# Altium PCB snapshots.PcbDoc (continued)
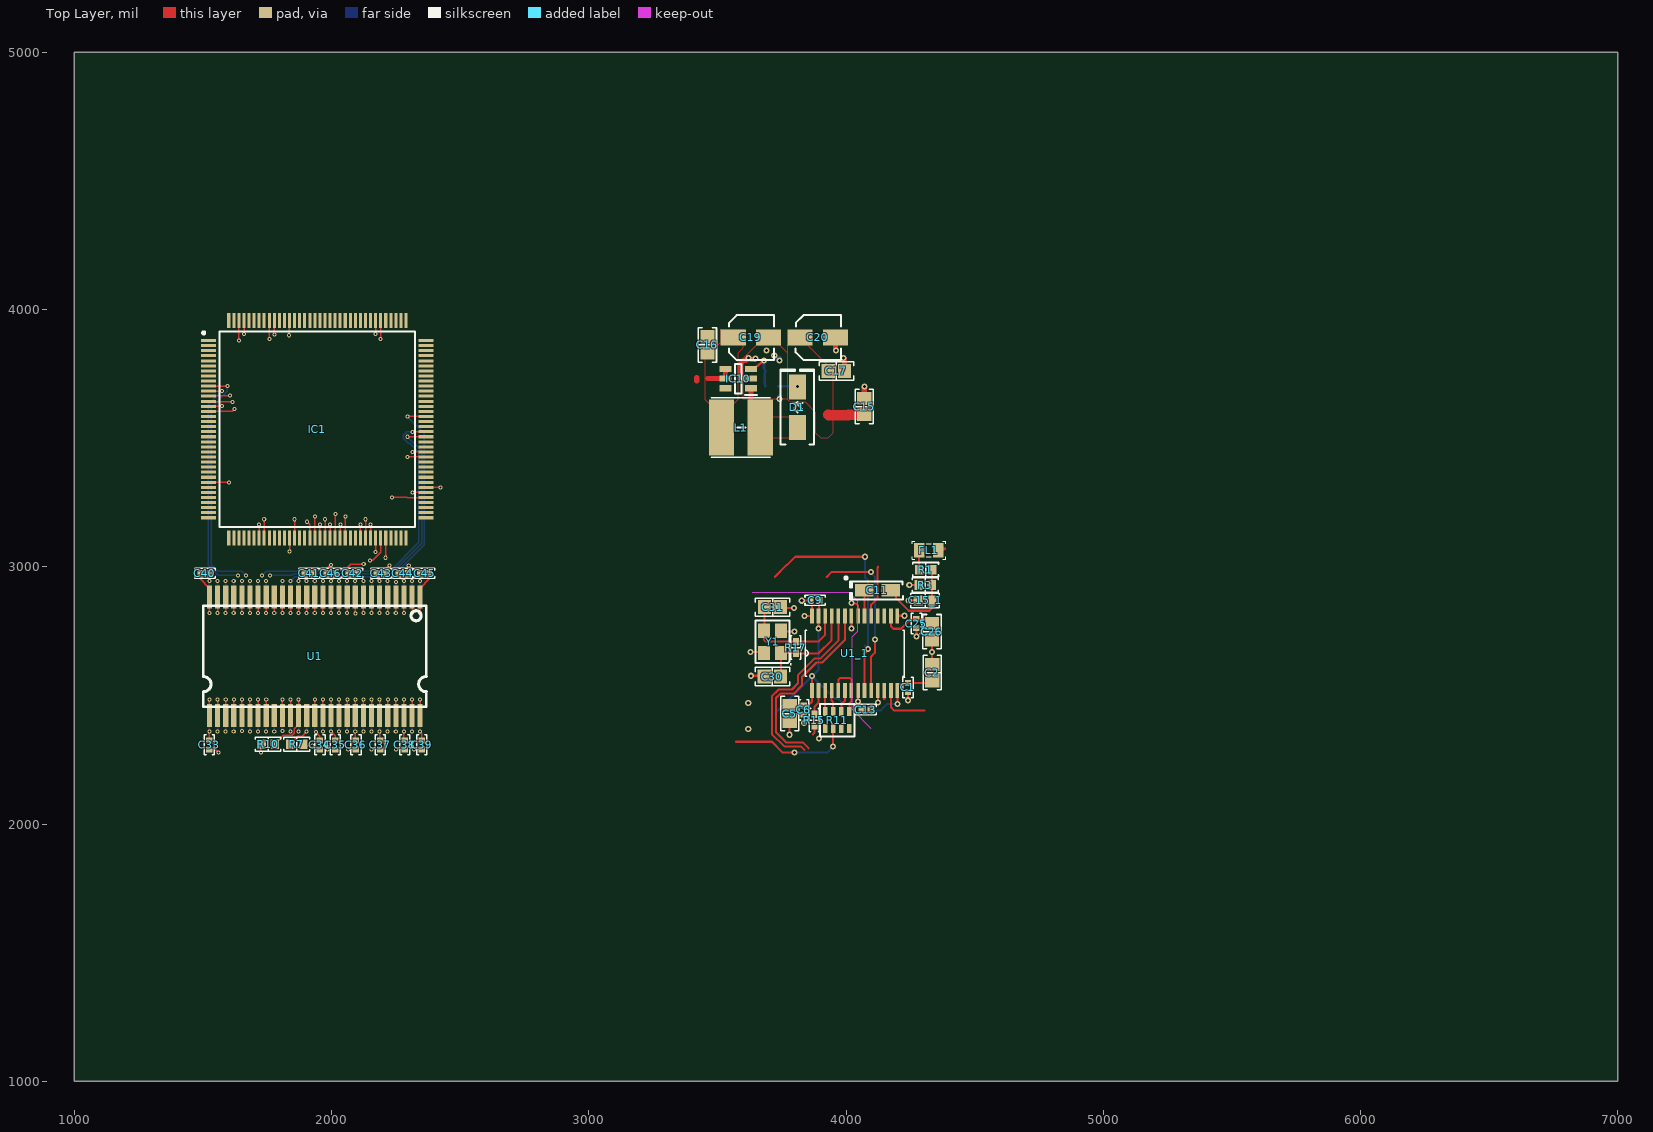
[diagram p0: Top Layer view]
## Part data (continued)
R36: library part RT0603FRE0710KL, "RES SMD 10K OHM 1% 1/10W 0603", Device Package="0603 (1608 Metric)", Manufacturer=Yageo, Operating Temperature="-55°C ~ 155°C", Part Number=RT0603FRE071KL, Power (Watts)="0.1W, 1/10W", Supplier Device Package=0603, Supplier Part Number 1=YAG2323CT-ND, Temperature Coefficient=±50ppm/°C, Tolerance=±1%, ComponentLink1Description=Datasheet, ComponentLink1URL=https://www.yageo.com/upload/media/product/productsearch/datasheet/rchip/PYu-RT_1-to-0.01_RoHS_L_11.pdf, ComponentLink2Description="DigiKey Link", ComponentLink2URL=https://www.digikey.com/en/products/detail/yageo/RT0603FRE071KL/1075188, Composition="Thin Film", Height - Seated (Max)="0.022\" (0.55mm)", LastUpdated="9/19/2022 1:22:31 PM", Lifecycle Status=Active, Minimum Order=1, Number of Terminations=2, Package / Case="0603 (1608 Metric)", Packaging=TapeAndReel, Part Status=Active, PartId=5672, Price=0.01, Resistance="1 kOhms", Series=RT, Size / Dimension="0.063\" L x 0.031\" W (1.60mm x 0.80mm)", Supplier 1=DigiKey
U1_1: "Stero in/ot audio codec"
Y1: library part ABM8G-24.576MHZ-B4Y-T, "CRYSTAL 24.5760MHZ 10PF SMD", Device Package="4-SMD, No Lead", ESR (Equivalent Series Resistance)="60 Ohms", Frequency Stability=±30ppm, Load Capacitance=10pF, Manufacturer="Abracon LLC", Operating Mode=Fundamental, Operating Temperature="-20°C ~ 70°C", Supplier Part Number 1=535-10296-1-ND, ComponentLink1Description=Datasheet, ComponentLink1URL=https://abracon.com/Resonators/ABM8G.pdf, ComponentLink2Description="DigiKey Link", ComponentLink2URL=http://digikey.com/product-detail/en/abracon-llc/ABM8G-24.576MHZ-B4Y-T/535-10296-1-ND/2218109, Frequency=24.576MHz, Frequency Tolerance=±30ppm, Height - Seated (Max)="0.039\" (1.00mm)", LastUpdated="3/19/2020 10:36:25 PM", Lifecycle Status=Active, Minimum Order=1, Mounting Type="Surface Mount", Package / Case="4-SMD, No Lead", Packaging=TapeAndReel, Part Number=ABM8G-24.576MHZ-B4Y-T, Part Status=Active, PartId=297, Price=0.50, Series=ABM8G, Size / Dimension="0.126\" L x 0.098\" W (3.20mm x 2.50mm)", Supplier 1=DigiKey, Type="MHz Crystal"

## Via types
v1: diameter 15.75, hole 7.87, Top Layer to Bottom Layer, tented both sides, 105 vias
v2: diameter 15.75, hole 7.87, Top Layer to Bottom Layer, 56 vias
v3: diameter 23.62, hole 11.81, Top Layer to Bottom Layer, tented both sides, 42 vias

## Nets (pads, with @x,y where several pads share a name; then routed paths per layer and width w, separated by ;. In a path a pad name is that pad's centre, name@x,y a point inside that pad or via, vN(x,y) a via of type N, cw(c..) or ccw(c..) an arc to the next point about the centre after c; other vN are vias at no path point)
pads on no net: C1.1 C1.2 C2.1 C2.2 C5.1 C5.2 C6.1 C6.2 C9.1 C9.2 C11.1 C11.2 C13.1 C13.2 C15.1 C15.2 C15_1.1 C15_1.2 C16.1 C16.2 C17.1 C17.2 C19.1 C19.2 C20.1 C20.2 C25.1 C25.2 C26.1 C26.2 C30.1 C30.2 C31.1 C31.2 C33.1 C33.2 C34.1 C34.2 C35.1 C35.2 C36.1 C36.2 C37.1 C37.2 C38.1 C38.2 C39.1 C39.2 C40.1 C40.2 C41.1 C41.2 C42.1 C42.2 C43.1 C43.2 C44.1 C44.2 C45.1 C45.2 C46.1 C46.2 D1.1 D1.2 Designator1.1 Designator1.2 FL1.1 FL1.2 FL6.1 FL6.2 IC1.1 IC1.2 IC1.3 IC1.4 IC1.5 IC1.6 IC1.7 IC1.8 IC1.9 IC1.10 IC1.11 IC1.12 IC1.13 IC1.14 IC1.15 IC1.16 IC1.17 IC1.18 IC1.19 IC1.20 IC1.21 IC1.22 IC1.23 IC1.24 IC1.25 IC1.26 IC1.27 IC1.28 IC1.29 IC1.30 IC1.31 IC1.32 IC1.33 IC1.34 IC1.35 IC1.36 IC1.37 IC1.38 IC1.39 IC1.40 IC1.41 IC1.42 IC1.43 IC1.44 IC1.45 IC1.46 IC1.47 IC1.48 IC1.49 IC1.50 IC1.51 IC1.52 IC1.53 IC1.54 IC1.55 IC1.56 IC1.57 IC1.58 IC1.59 IC1.60 IC1.61 IC1.62 IC1.63 IC1.64 IC1.65 IC1.66 IC1.67 IC1.68 IC1.69 IC1.70 IC1.71 IC1.72 IC1.73 IC1.74 IC1.75 IC1.76 IC1.77 IC1.78 IC1.79 IC1.80 IC1.81 IC1.82 IC1.83 IC1.84 IC1.85 IC1.86 IC1.87 IC1.88 IC1.89 IC1.90 IC1.91 IC1.92 IC1.93 IC1.94 IC1.95 IC1.96 IC1.97 IC1.98 IC1.99 IC1.100 IC1.101 IC1.102 IC1.103 IC1.104 IC1.105 IC1.106 IC1.107 IC1.108 IC1.109 IC1.110 IC1.111 IC1.112 IC1.113 IC1.114 IC1.115 IC1.116 IC1.117 IC1.118 IC1.119 IC1.120 IC1.121 IC1.122 IC1.123 IC1.124 IC1.125 IC1.126 IC1.127 IC1.128 IC1.129 IC1.130 IC1.131 IC1.132 IC1.133 IC1.134 IC1.135 IC1.136 IC1.137 IC1.138 IC1.139 IC1.140 IC1.141 IC1.142 IC1.143 IC1.144 IC10.1 IC10.2 IC10.3 IC10.4 IC10.5 IC10.6 L1.1 L1.2 R1.1 R1.2 R3.1 R3.2 R7.1 R7.2 R10.1 R10.2 R11.1 R11.2 R11.3 R11.4 R11.5 R11.6 R11.7 R11.8 R15.1 R15.2 R17.1 R17.2 R35.1 R35.2 R36.1 R36.2 U1.1 U1.2 U1.3 U1.4 U1.5 U1.6 U1.7 U1.8 U1.9 U1.10 U1.11 U1.12 U1.13 U1.14 U1.15 U1.16 U1.17 U1.18 U1.19 U1.20 U1.21 U1.22 U1.23 U1.24 U1.25 U1.26 U1.27 U1.28 U1.29 U1.30 U1.31 U1.32 U1.33 U1.34 U1.35 U1.36 U1.37 U1.38 U1.39 U1.40 U1.41 U1.42 U1.43 U1.44 U1.45 U1.46 U1.47 U1.48 U1.49 U1.50 U1.51 U1.52 U1.53 U1.54 U1_1.1 U1_1.2 U1_1.3 U1_1.4 U1_1.5 U1_1.6 U1_1.7 U1_1.8 U1_1.9 U1_1.10 U1_1.11 U1_1.12 U1_1.13 U1_1.14 U1_1.15 U1_1.16 U1_1.17 U1_1.18 U1_1.19 U1_1.20 U1_1.21 U1_1.22 U1_1.23 U1_1.24 U1_1.25 U1_1.26 U1_1.27 U1_1.28 U2.1 U2.2 U2.3 U2.4 U2.5 U2.6 U2.7 U2.8 U2.9 U2.10 U2.11 U2.12 U2.13 U2.14 U2.15 U2.16 U2.17 U2.18 U2.19 U2.20 U2.21 U2.22 U2.23 U2.24 U2.25 U2.26 U2.27 U2.28 U2.29 U2.30 U2.31 U2.32 U2.33 U2.34 U2.35 U2.36 U2.37 U2.38 U2.39 U2.40 U2.41 U2.42 U2.43 U2.44 U2.45 U2.46 U2.47 U2.48 U2.49 U2.50 U2.51 U2.52 U2.53 U2.54 Y1.1 Y1.2 Y1.3 Y1.4
copper on no net: | length 71663.6
  Top Layer w5: 1490.35,2975 1490.35,2952.6 1525.55,2917.4 1525.55,2882.4 v1@1525.55,2820.56 ; 1518.05,2439.65 1525.55,2432.15 ; 1522.26,3328.29 v2(1601.01,3328.27) ; 1522.24,3623.58 1522.95,3624.29 1574.29,3624.29 v2(1575,3625) ; 1522.24,3662.95 1523.27,3663.98 1603.98,3663.98 v2(1605,3665) ; 1522.24,3702.32 v2@1594.84,3702.32 ; 1522.4,3604.06 1522.8,3604.45 1614.45,3604.45 v2(1622.94,3612.94) ; 1522.4,3643.43 1524.19,3641.63 1613.37,3641.63 v2(1615,3640) ; 1522.4,3682.8 1522.44,3682.83 1573.59,3682.83 v2(1573.79,3683.03) ; 1524.21,2325 1525,2325 1525.42,2325.42 v1(1525.42,2359.8) ; 1525,2290.35 1525.35,2290 1548.61,2290 v2(1559.87,2278.74) ; 1525,2975 1525.31,2974.69 v1(1525.31,2944.49) ; v1@1525.55,2483.61 1525.55,2432.15 ; 1557.05,2421.77 1557.05,2483.61 v1(1557.29,2483.86) ; v1@1557.05,2820.56 1557.05,2882.4 ; 1588.54,2421.77 v1@1588.54,2483.61 ; v1@1588.54,2820.56 1588.54,2882.4 ; 1620.04,2421.77 v1@1620.04,2483.61 ; v1@1620.04,2820.56 1620.04,2882.4 ; 1639.94,3957.7 1639.94,3880.06 v2(1640,3880) ; 1651.54,2421.77 v1@1651.54,2483.61 ; v1@1651.54,2820.56 1651.54,2882.4 ; 1659.57,3957.76 1659.78,3957.54 1659.78,3905.22 v2(1660,3905) ; 1683.03,2421.77 v1@1683.03,2483.61 ; v1@1683.03,2820.56 1683.03,2882.4 ; 1714.53,2421.77 v1@1714.53,2483.61 ; v1@1714.53,2820.56 1714.53,2882.4 ; 1718.62,3112.24 v2@1718.62,3164.53 ; v2@1725,2275 v2(1725,2278.74) 1725,2307.36 1727.64,2310 ; 1738.46,3112.09 v2@1738.46,3184.68 ; 1746.02,2421.77 v1@1746.02,2483.61 ; v1@1746.02,2820.56 1746.02,2882.4 ; 1757.99,3957.76 1758.82,3956.93 1758.82,3885.5 v2(1759.65,3884.67) ; v1@1777.52,2820.56 1777.52,2882.4 ; 1777.68,3957.76 1777.98,3957.45 1777.98,3902.74 v2(1778.29,3902.43) ; 1778.82,2310 1778.82,2311.97 1793.05,2326.2 1795.02,2326.2 1813.13,2344.31 1846.74,2344.31 1855.75,2353.32 1855.75,2370.51 1872.01,2386.77 1872.01,2421.77 v1@1872.01,2483.61 ; 1809.02,2421.77 v1@1809.02,2483.61 ; v1@1809.02,2820.56 1809.02,2882.4 ; v2(1835,3900) 1835.87,3900.87 1835.87,3956.89 1836.73,3957.76 ; v2(1836.79,3059.78) 1836.76,3112.22 ; 1838.82,2310 1838.82,2311.97 1868.76,2341.91 1885.49,2341.91 v1(1903.26,2359.68) ; 1840.51,2421.77 v1@1840.51,2483.61 ; v1@1840.51,2820.56 1840.51,2882.4 ; 1856.57,3112.09 v2@1856.57,3184.68 ; v1@1872.01,2820.56 1872.01,2882.4 ; 1890,2310 1895,2305 v2(1925,2305) 1939.65,2290.35 1955,2290.35 ; 1895.35,2975 1895.35,2952.39 v1(1903.26,2944.49) ; v1@1903.5,2820.56 1903.5,2882.4 ; v2(1905,3175) 1915.24,3164.76 1915.24,3112.48 1915.47,3112.24 ; 1927.75,2925.47 1927.75,2889.9 1935.25,2882.4 ; 1930,2975 1934.75,2970.25 v1(1934.75,2944.49) ; 1935,2421.77 v1@1935,2483.61 ; v1@1935,2820.56 1935,2882.4 ; v2(1935,3195) 1935.08,3194.92 1935.08,3112.32 1935.16,3112.24 ; v1(1939.75,2357.01) 1955,2341.76 1955,2325 ; 1954.84,3112.24 v2@1954.84,3164.53 ; 1966.5,2421.77 v1@1966.5,2483.61 ; v1@1966.5,2820.56 1966.5,2882.4 ; 1974.69,3112.09 v2@1974.69,3184.68 ; 1980.35,2975 1980.35,2990.1 1997.64,3007.38 v2(1998.73,3007.38) ; v2(1985,2290) 1985.35,2290.35 2015,2290.35 ; 1990.86,2414.64 1997.99,2421.77 v1@1997.99,2483.61 ; 1994.21,3112.24 v2@1994.21,3164.53 ; v1(1997.75,2944.49) 2015,2961.74 2015,2975 ; v1@1997.99,2820.56 1997.99,2882.4 ; v1(1998.39,2359.04) 2015,2342.43 2015,2325 ; 2014.06,3112.09 2014.45,3112.48 2014.45,3204.45 v2(2015.87,3205.87) ; 2029.49,2421.77 v1@2029.49,2483.61 ; v1@2029.49,2820.56 2029.49,2882.4 ; 2033.58,3112.24 2034.15,3112.82 2034.15,3164.19 v2(2034.72,3164.76) ; 2053.43,3112.09 2054.13,3112.8 2054.13,3194.13 v2(2055,3195) ; 2060.98,2421.77 v1@2060.98,2483.61 ; v1@2060.98,2820.56 2060.98,2882.4 ; v2(2065,2290) 2094.65,2290 2095,2290.35 ; 2065.35,2975 2065.35,3000.35 2074.89,3009.89 2124.36,3009.89 v2(2125.15,3010.69) ; v1(2091.82,2945) 2100,2953.18 2100,2975 ; v1(2092.23,2359.68) 2092.23,2327.77 2095,2325 ; 2092.48,2421.77 v1@2092.48,2483.61 ; v1(2092.5,2818.33) 2092.5,2917.38 ; 2112.32,3112.24 v2@2112.32,3164.53 ; 2123.98,2421.77 v1@2123.98,2483.61 ; v1@2123.98,2820.56 2123.98,2882.4 ; 2132.17,3112.09 v2@2132.17,3184.68 ; v2(2150,3025) 2160.4,3025 2191.06,3055.66 2191.06,3112.24 ; 2151.69,3112.24 v2@2151.69,3164.53 ; v2(2155,2290) 2189.65,2290 2190,2290.35 ; 2155.47,2421.77 v1@2155.47,2483.61 ; v1@2155.47,2820.56 2155.47,2882.4 ; v2(2170.36,3056.7) 2171.27,3057.62 2171.27,3112.33 ; v2@2171.54,3905.31 2171.54,3957.6 ; 2175,2975 2175,2956.21 v1(2186.72,2944.49) ; v1(2186.72,2359.68) 2186.72,2328.28 2190,2325 ; 2186.97,2386.77 v1@2186.97,2483.61 ; v1@2186.97,2820.56 2186.97,2882.4 ; v2@2191.06,3885.16 2191.06,3957.76 ; 2209.65,2975 2209.65,2989.65 v2(2225,3005) ; v2(2210,3035) 2210.37,3035.37 2210.37,3111.55 2210.63,3111.81 ; 2218.46,2421.77 v1@2218.46,2483.61 ; v1@2218.46,2820.56 2218.46,2882.4 ; v2(2235,3270) 2235.41,3269.59 2294.67,3269.59 2295.08,3269.17 ; 2249.96,2421.77 v1@2249.96,2483.61 ; v1@2249.96,2820.56 2249.96,2882.4 ; v2(2250,2290) 2284.65,2290 2285,2290.35 ; 2260,2975 2267.86,2967.14 2267.86,2957.84 v1(2281.21,2944.49) ; v1(2281.21,2359.68) 2281.21,2328.79 2285,2325 ; 2281.46,2421.77 v1@2281.46,2483.61 ; v1@2281.46,2820.56 2281.46,2917.4 ; 2294.65,2975 2294.65,2996.43 2300.16,3001.94 v2(2300.16,3004.84) ; 2295.16,3269.25 2367.76,3269.25 ; v2@2295.16,3426.73 2367.76,3426.73 ; v2@2295.16,3505.47 2367.76,3505.47 ; v2@2295.16,3584.21 2367.76,3584.21 ; 2312.95,2421.77 v1@2312.95,2483.61 ; v1@2312.95,2820.56 2312.95,2882.4 ; v2@2315.31,3288.78 2367.6,3288.78 ; v2@2315.31,3446.26 2367.6,3446.26 ; v2@2315.31,3525 2367.6,3525 ; v2(2320,2290) 2350.04,2290 2350.39,2290.35 ; v1(2344.2,2359.68) 2344.2,2357.39 2350.39,2351.2 2350.39,2325 ; v1(2344.2,2944.49) 2344.2,2974.2 2345,2975 ; 2344.45,2421.77 v1@2344.45,2483.61 ; v1@2344.45,2820.56 2344.45,2882.4 2344.45,2917.4 2379.65,2952.6 2379.65,2975 ; 2367.76,3308.62 2367.95,3308.43 2423.05,3308.43 v2(2423.24,3308.24) ; 1525.55,2432.15 1525.55,2421.77 1525.55,2432.15
  Top Layer w8: 3572.14,2319.73 3712.27,2319.73 3754.25,2277.75 v3(3799.75,2277.75) ; v3(3628.93,2667.93) 3677.64,2667.93 ; v3(3630.06,2576.24) 3678.77,2576.24 ; 3683,2843 3683,2753.43 3680.88,2751.31 3680.88,2716.12 3688,2709 3806,2709 ; 3724,2959.91 3724,2961.87 3768.23,3006.1 3770.2,3006.1 3803.09,3039 v3(4074,3039) ; 3745,2573 3747.81,2575.81 3747.81,2664.7 3806,2664.7 ; 3749.23,2839.76 v3(3797.94,2839.76) ; 3751.04,2748.07 v3(3799.75,2748.07) ; v3(3780,2347) 3780,2397.01 3781,2398.01 ; 3781,2461 3836,2461 3854,2461 3868,2475 3868,2519 v3(3868,2575) ; 3807.33,2663 3892,2663 3944,2715 3944,2809 ; 3808.17,2710 3894,2710 3919,2735 3919,2809 ; v3(3828,2868) 3860.68,2868 3862.68,2870 ; v3(3836,2392) 3836,2426.35 ; 3839,2287 3824.44,2301.56 3760.11,2301.56 3712,2349.68 3712,2496.63 3738.37,2523 3790,2523 3813,2546 3813,2578 3878.81,2643.81 3901.19,2643.81 3970,2712.63 3970,2809 ; v3(3839,2809) 3868,2809 3868,2860.35 3861.35,2867 ; 3855,2294 3831.44,2317.56 3766.74,2317.56 3728,2356.3 3728,2490 3745,2507 3796.63,2507 3829,2539.37 3829,2571.37 3885.44,2627.81 3907.81,2627.81 3996,2716 3996,2809 ; 3871,2348.3 3877,2354.3 3877,2381.36 ; 3877,2426.64 3877,2455 3893,2471 3893,2519 ; v3(3893,2760) 3893,2809 3894.5,2810.5 3894.5,2865.5 3896,2867 ; 3918.76,2437.46 3918.88,2437.59 3918.88,2518.88 3919,2519 ; 3924,2959.91 3943.09,2979 v3(4097.81,2979) ; 3944,2519 3944,2480 3950.25,2473.75 3950.25,2437.46 ; v3(3950,2301) 3950.13,2301.13 3950.13,2370.41 3950.25,2370.54 ; 3970,2519 3970,2560 3978,2568 4015,2568 4021,2562 4021,2477.82 4013.24,2470.06 4013.24,2437.46 ; 3981.75,2437.46 3981.75,2464.75 3996,2479 3996,2519 ; 4013.12,2370.41 4013.24,2370.54 ; v3(4021,2760) 4021,2809 ; v3(4021,2859) 4022.34,2857.66 4037.34,2857.66 4047,2848 4047,2809 ; 4046.5,2519.5 4047,2519 v3(4047,2477) 4059.09,2464.91 4059.09,2445.91 4060,2445 ; 4070.85,2909 4072,2907.85 4072,2809 ; 4072,2519 4072,2662.77 4086,2676.77 v3(4086,2681) ; 4094.65,2445 4094.65,2445.79 4120.86,2472 v3(4124,2472) 4124,2519 ; 4098,2519 4098,2651 4112,2665 v3(4112,2718) ; 4098,2809 4098,2853 4122.84,2877.84 4122.84,2994.56 cw(c4130.84,2994.52) 4125.15,3000.15 ; 4174,2909 4194,2889 4194,2879 4244,2829 4324,2829 4334,2839 4334,2869 4335.18,2870.18 4335.18,2989 ; 4175,2519 4175,2454 4188,2441 4306,2441 ; 4175,2809 4175,2768 4184,2759 4214,2759 4251.32,2796.32 4274,2796.32 4316.68,2796.32 4334,2779 ; v3(4200,2466) 4200,2497 ; 4200,2519 4200,2541 4203,2544 4237,2544 4241,2548 4325.99,2548 4335,2557.01 ; 4200,2809 4203,2809.53 v3(4227.55,2809.53) ; v3(4241,2481) 4241,2513.35 ; v3(4244,2869) 4280.85,2869 ; v3(4245.97,2929) 4282.82,2929 ; v3(4274,2729) 4274,2761.68 ; 4284,2989 4284,3063 4285,3064 ; 4334,2716.01 v3(4334,2669) 4334,2618 4335,2617
  Top Layer w10: 3630.32,3768.78 3648.94,3775.59 v3(3681.1,3801.38)
  Top Layer w20: 3419.63,3721.62 3419.63,3734.56 ; 3461.1,3731.38 3531.89,3731.38 3531.89,3768.78 ; 3516.1,3541.38 3531.89,3525.59 ; v3(3603.31,3731.27) 3603.31,3732.25 3588.69,3746.87 3588.69,3788.05 3602.02,3801.38 3611.1,3801.38 v3(3621.1,3811.38) 3622.08,3811.38 3622.15,3811.31 ccw(c3636.3,3825.45) v3(3648.5,3809.61) ; 3630.32,3693.98 3630.32,3577.17 3666.1,3541.38 ; 3691.1,3883.58 3698.9,3891.38 ; 3958.9,3891.38 3958.9,3844.56 3961.1,3842.36 v3(3961.1,3841.38) ; v3(3991.1,3811.38) 3991.1,3810.4 3994.09,3807.41 3994.09,3761.38 ; 4071.1,3654.37 v3(4071.1,3701.38)
  Top Layer w40: 3931.1,3591.38 3932.91,3589.57 4008.42,3589.57 4010.23,3591.38 4071.1,3591.38
  Mid-Layer 3 w5: v1(1556.8,2359.68) 1556.8,2453.37 1572.92,2469.49 1572.92,2798.23 1556.8,2814.35 v1(1556.8,2820.31) ; v1@1556.8,2826.01 1572.92,2842.14 1572.92,3134.7 1646.39,3208.16 1646.39,3567.76 1607.57,3606.57 1607.57,3619.31 1615,3626.74 v2(1615,3640) ; v1(1557.29,2483.86) 1557.29,2798.08 1541.43,2813.95 1541.43,2827.99 1557.29,2843.86 1557.29,2944 v1(1556.8,2944.49) 1556.8,3132.72 1636.39,3212.3 1636.39,3563.61 v2(1575,3625) ; v1(1588.3,2359.68) 1588.3,2453.37 1604.42,2469.49 1604.42,2798.23 1588.3,2814.35 v1(1588.3,2820.31) ; v1@1588.3,2826.01 1604.42,2842.14 1604.42,3137.91 1666.39,3199.87 1666.39,3613.61 1622.64,3657.36 1612.64,3657.36 v2(1605,3665) ; v1(1588.79,2483.86) 1588.79,2798.08 1572.92,2813.95 1572.92,2827.99 1588.79,2843.86 1588.79,2944 v1(1588.3,2944.49) 1588.3,3135.93 1656.39,3204.02 1656.39,3579.5 v2(1622.94,3612.94) ; v2(1601.01,3328.27) 1601.01,3219.89 1488.55,3107.42 1488.55,2344.85 1509.28,2324.11 1793.57,2324.11 1825,2355.54 1825,2468.12 v1(1809.26,2483.86) ; v1@1618.28,2358.17 v1(1619.79,2359.68) 1619.79,2453.37 1635.92,2469.49 1635.92,2798.23 1619.79,2814.35 v1(1619.79,2820.31) ; v1@1619.79,2826.01 1635.92,2842.14 1635.92,2966.01 v2(1635.63,2966.3) ; v1(1620.28,2483.86) 1620.28,2798.08 1604.42,2813.95 1604.42,2827.99 1620.28,2843.86 1620.28,2944 v1(1619.79,2944.49) 1619.79,2975.82 1785.02,3141.05 1834.52,3141.05 1856.5,3163.02 v2(1856.5,3184.76) ; v2(1640,3880) 1525,3765 1525,3175 1468.55,3118.55 1468.55,2336.57 1501,2304.11 1819.11,2304.11 1855.75,2340.75 1855.75,2451.49 1872.25,2468 v1(1872.25,2483.86) 1872.25,2798.08 1856.39,2813.95 1856.39,2827.99 1872.25,2843.86 1872.25,2944 v1(1871.76,2944.49) ; v1@1651.17,2359.68 v1(1651.17,2362.19) 1651.17,2453.24 1667.41,2469.49 1667.41,2798.23 1651.29,2814.35 v1(1651.29,2820.31) 1651.29,2826.01 1667.41,2842.14 1667.41,2966.01 v2(1667.12,2966.3) ; v1(1651.78,2483.86) 1651.78,2798.08 1635.92,2813.95 1635.92,2827.99 1651.78,2843.86 1651.78,2944 v1(1651.29,2944.49) 1651.29,2993.18 1789.16,3131.05 1881.05,3131.05 1905,3155 v2(1905,3175) ; v2(1660,3905) 1640,3905 1515,3780 1515,3181.45 1458.55,3125 1458.55,2332.43 1496.86,2294.11 1837.69,2294.11 v1(1903.26,2359.68) v1(1903.26,2820.31) ; v1(1682.79,2359.68) 1682.79,2453.37 1698.91,2469.49 1698.91,2798.23 1682.79,2814.35 v1(1682.79,2820.31) ; v1@1682.79,2826.01 1698.91,2842.14 1698.91,3012.51 1797.45,3111.05 1898.35,3111.05 1938.54,3151.24 1938.54,3176.79 1946.51,3184.76 v2(1974.61,3184.76) ; v1(1683.28,2483.86) 1683.28,2798.08 1667.41,2813.95 1667.41,2827.99 1683.28,2843.86 1683.28,2944 v1(1682.79,2944.49) 1682.79,3010.53 1793.3,3121.05 1893.5,3121.05 1924.5,3152.05 1924.5,3184.5 v2(1935,3195) ; v1(1714.28,2359.68) 1714.28,2453.37 1730.4,2469.49 1730.4,2798.23 1714.28,2814.35 v1(1714.28,2820.31) ; v1@1714.28,2826.01 1730.4,2842.14 v2@1730.4,2966.01 ; v1(1714.77,2483.86) 1714.77,2798.08 1698.91,2813.95 1698.91,2827.99 1714.77,2843.86 1714.77,2944 v1(1714.28,2944.49) 1714.28,3013.74 1801.59,3101.05 1911.05,3101.05 1954.61,3144.61 v2(1954.61,3164.76) ; v2(1718.39,3164.76) 1718.39,3188.39 1751.28,3221.28 1978.72,3221.28 2015,3185 2019.35,3180.65 2019.35,3154.25 1887.45,3022.36 1887.45,2836 v1(1871.76,2820.31) 1871.76,2814.35 1887.88,2798.23 1887.88,2469.49 1871.76,2453.37 v1(1871.76,2359.68) ; v2(1738.39,3184.76) 1764,3210.37 1970.74,3210.37 1989.98,3191.13 2009.35,3171.76 2009.35,3158.4 1932,3081.05 1809.87,3081.05 1777.27,3048.45 v1(1777.27,2820.31) ; v1(1745.78,2359.68) 1745.78,2453.37 1761.9,2469.49 1761.9,2798.23 1745.78,2814.35 v1(1745.78,2820.31) ; v1@1745.78,2823.03 1761.9,2839.15 v2@1761.9,2963.02 ; v1(1746.27,2483.86) 1746.27,2798.08 1730.4,2813.95 1730.4,2827.99 1746.27,2843.86 1746.27,2944 v1(1745.78,2944.49) 1745.78,3031.1 1805.73,3091.05 1920.26,3091.05 v2(1993.98,3164.76) ; v2(1759.65,3884.67) 1696.47,3884.67 1555,3743.2 1555,3620 1626.39,3548.61 1626.39,3216.44 1508.55,3098.6 1508.55,2353.14 1517.37,2344.31 1761.9,2344.31 v1(1777.27,2359.68) ; v2(1778.29,3902.43) 1750.72,3930 1726.5,3930 1545,3748.5 1545,3615.86 1555,3605.86 1555,3605 1616.39,3543.61 1616.39,3221.12 1498.55,3103.28 1498.55,2348.99 1513.23,2334.31 1773.64,2334.31 1792.65,2353.32 1792.65,2452.35 1780,2465 1780,2500 1792.65,2512.65 1792.65,2832.65 1808.77,2848.77 v1(1808.77,2944.49) ; v1(1808.77,2361.06) 1808.77,2460.31 1792.91,2476.18 1792.91,2490.23 1808.77,2506.09 v1(1808.77,2820.31) 1809.01,2820.56 1809.01,2830.69 1824.14,2845.82 1824.14,2954.14 1836.79,2966.79 v2(1836.79,3059.78) ; v2(1835,3900) 1835,3910.61 1805.61,3940 1722.36,3940 1535,3752.64 1535,3168.7 1478.55,3112.24 1478.55,2340.71 1505.14,2314.11 1797.71,2314.11 1840.37,2356.78 v1(1840.37,2359.68) 1840.27,2359.79 1840.27,2453.37 1856.39,2469.49 1856.39,2798.23 1840.27,2814.35 v1(1840.27,2820.31) ; v1(1840.27,2944.49) 1840.76,2944 1840.76,2843.86 1824.89,2827.99 1824.89,2813.95 1840.76,2798.08 v1(1840.76,2483.86) ; v1(1966.25,2359.68) 1966.25,2453.37 1982.11,2469.23 1982.11,2798.48 1966.25,2814.35 v1(1966.25,2820.31) 1966.25,2829.23 1981.62,2844.6 1981.62,3031.62 2112.09,3162.09 v2(2112.09,3164.76) ; v1(1966.74,2483.86) 1966.74,2798.08 1950.88,2813.95 1950.88,2827.99 1966.74,2843.86 1966.74,2944 v1(1966.25,2944.49) 1966.25,3040.67 2110.34,3184.76 v2(2132.09,3184.76) ; 1979.07,2368.6 1982.3,2365.38 1982.3,2341.4 ; 2010,2380 2013.77,2376.23 2013.77,2353.42 2015,2352.18 2015,2340 ; v2(2015.87,3205.87) 2039.32,3229.32 2142.58,3229.32 2196.37,3175.54 2196.37,3046.01 2140.1,2989.75 2140.1,2846.46 2123.73,2830.09 v1(2123.73,2820.31) 2123.73,2814.35 2139.85,2798.23 2139.85,2469.49 2123.73,2453.37 v1(2123.73,2359.68) ; v1(2029.24,2359.68) 2029.24,2453.37 2045.36,2469.49 2045.36,2798.23 2029.24,2814.35 v1(2029.24,2820.31) 2029.24,2829.23 2044.62,2844.6 2044.62,3004.62 2115.94,3075.94 2156.84,3075.94 2176.37,3095.46 2176.37,3167.26 2134.3,3209.32 2069.32,3209.32 v2(2055,3195) ; v1(2029.73,2483.86) 2029.73,2798.08 2013.87,2813.95 2013.87,2827.99 2029.73,2843.86 2029.73,2944 v1(2029.24,2944.49) 2029.24,3056.74 2137.27,3164.76 v2(2151.46,3164.76) ; v2(2034.72,3164.76) 2033.35,3166.14 2033.35,3195.09 2057.58,3219.32 2138.44,3219.32 2186.37,3171.4 2186.37,3050.97 2175.91,3040.51 2123.99,3040.51 2076.45,2992.97 2076.45,2836.02 v1(2060.74,2820.31) 2060.74,2814.35 2076.86,2798.23 2076.86,2469.49 2060.74,2453.37 v1(2060.74,2359.68) ; v1(2061.23,2483.86) 2061.23,2798.08 2045.36,2813.95 2045.36,2827.99 2060,2842.63 v1(2060,2945) 2060,3000 2116.7,3056.7 v2(2170.36,3056.7) ; v1(2124.22,2483.86) 2124.22,2798.08 2108.36,2813.95 2108.36,2833.27 2124.22,2849.13 2124.22,2943.96 v1(2124.73,2944.47) 2124.73,2988.52 2140.53,3004.32 2140.53,3015.53 v2(2150,3025) ; v1(2155.23,2359.68) 2155.23,2453.37 2171.35,2469.49 2171.35,2798.23 2155.23,2814.35 v1(2155.23,2820.31) 2170.85,2835.94 2170.85,2972.93 2235,3037.08 2235,3245 2171.77,3308.23 v2(2171.77,3905.08) ; v1(2155.72,2483.86) 2155.72,2798.08 2139.85,2813.95 2139.85,2827.99 2155.72,2843.86 2155.72,2944 2155.23,2944.49 2155.23,2980.23 v2(2210,3035) ; 2170,2340 2171.21,2341.21 2171.21,2370.52 ; v2(2191.14,3885.08) 2191.14,3368.86 2255,3305 2255,2982.51 2234.83,2962.35 2234.83,2842.63 2218.22,2826.01 v1(2218.22,2820.31) 2218.22,2814.35 2234.34,2798.23 2234.34,2469.49 2218.22,2453.37 v1(2218.22,2359.68) ; 2202.93,2377.07 2202.93,2366.14 2202.85,2366.05 2202.85,2342.15 2205,2340 ; v1(2218.71,2483.86) 2218.71,2798.08 2202.85,2813.95 2202.85,2827.99 2218.71,2843.86 2218.71,2944 v1(2218.22,2944.49) 2218.22,2968.22 2245,2995 2245,3260 v2(2235,3270) ; v1(2249.72,2359.68) 2249.72,2453.37 2265.84,2469.49 2265.84,2798.23 2249.72,2814.35 v1(2249.72,2820.31) 2249.72,2829.23 2265.84,2845.35 2265.84,2950.86 2275,2960.02 2275,3115 2395,3235 2395,3366.1 v2(2315.08,3446.02) ; v1(2250.21,2483.86) 2250.21,2798.08 2234.34,2813.95 2234.34,2827.99 2250.21,2843.86 v1(2250.21,2940.59) 2250.21,2963.58 2265,2978.37 2265,3275 2278.54,3288.54 v2(2315.08,3288.54) ; v2(2295.08,3426.65) 2295.08,3447.77 2308.71,3461.4 2323.6,3461.4 2440,3345 2440,3250 2328.1,3138.1 2328.1,2844.61 2312.71,2829.23 v1(2312.71,2820.31) 2312.71,2814.35 2328.83,2798.23 2328.83,2469.49 2312.71,2453.37 v1(2312.71,2359.68) ; v1(2313.2,2483.86) 2313.2,2798.08 2297.33,2813.95 2297.33,2827.99 2313.2,2843.86 2313.2,2944 v1(2312.71,2944.49) 2312.71,2977.71 2318.1,2983.1 2318.1,3143.96 2423.24,3249.1 v2(2423.24,3308.24)
  Bottom Layer w5: v1@1525.31,2359.68 v1(1525.42,2359.8) ; v1@1525.55,2359.93 1525.55,2421.77 ; 1525.55,2882.4 v1@1525.55,2944.24 ; v1@1557.05,2359.93 1557.05,2421.77 ; 1557.05,2882.4 v1@1557.05,2944.24 ; v2(1573.79,3683.03) 1573.03,3683.03 1520,3630 1520,3005 1558.7,2966.3 v2(1635.63,2966.3) ; v1@1588.54,2359.93 1588.54,2421.77 ; 1588.54,2882.4 v1@1588.54,2944.24 ; v2(1594.92,3702.4) 1594.92,3681.66 1532.07,3618.81 1532.07,3007.07 1557.47,2981.67 1651.75,2981.67 v2(1667.12,2966.3) ; v1@1620.04,2359.93 1620.04,2421.77 ; 1620.04,2882.4 v1@1620.04,2944.24 ; v1@1651.54,2359.93 1651.54,2421.77 ; 1651.54,2882.4 v1@1651.54,2944.24 ; v1@1683.03,2359.93 1683.03,2421.77 ; 1683.03,2882.4 v1@1683.03,2944.24 ; v1@1714.53,2359.93 1714.53,2421.77 ; 1714.53,2882.4 v1@1714.53,2944.24 ; v2(1730.12,2966.3) 1746.54,2982.72 2228.01,2982.72 2340,3094.72 2340,3445 2305,3480 2298.73,3480 2279.7,3499.03 2279.7,3511.76 2292.71,3524.76 v2(2315.08,3524.76) ; v1@1746.02,2359.93 1746.02,2421.77 ; 1746.02,2882.4 v1@1746.02,2944.24 ; v2(1761.61,2966.3) 1847.93,2966.3 1854.36,2972.72 2232.15,2972.72 2350,3090.57 2350,3275 2350,3450.47 v2(2295.08,3505.39) ; v1@1777.52,2359.93 1777.52,2421.77 ; v1(1808.77,2361.06) 1808.77,2421.53 1809.02,2421.77 ; 1809.02,2882.4 v1@1809.02,2944.24 ; v1(1840.27,2944.49) 1857.36,2961.58 2235.15,2961.58 2360,3086.43 2360,3519.21 v2(2295.08,3584.13) ; v1(1840.37,2359.68) 1840.37,2421.63 1840.51,2421.77 ; 1840.51,2882.4 v1@1840.51,2944.24 ; v1@1872.01,2359.93 1872.01,2421.77 ; 1872.01,2882.4 v1@1872.01,2944.24 ; v1@1903.5,2359.93 1903.5,2421.77 ; v1@1935,2359.93 1935,2421.77 ; 1935,2882.4 v1@1935,2944.24 ; v1@1966.5,2359.93 1966.5,2421.77 ; 1966.5,2882.4 v1@1966.5,2944.24 ; 1997.99,2421.77 1998.39,2421.37 v1(1998.39,2359.04) ; 1997.99,2882.4 v1@1997.99,2944.24 ; v1@2029.49,2359.93 2029.49,2421.77 ; 2029.49,2882.4 v1@2029.49,2944.24 ; v1(2060,2945) 2060,2883.39 2060.98,2882.4 ; v1@2060.98,2359.93 2060.98,2421.77 ; v1@2090.18,2357.63 v1(2092.23,2359.68) ; v1(2091.82,2945) 2091.82,2883.06 2092.48,2882.4 ; v1@2092.48,2359.93 2092.48,2421.77 ; v1@2123.98,2359.93 2123.98,2421.77 ; 2123.98,2882.4 2124.73,2883.15 v1(2124.73,2944.47) ; v1@2155.47,2359.93 2155.47,2421.77 ; 2155.48,2882.41 v1(2155.48,2944.24) ; v1@2186.97,2359.93 2186.97,2421.77 ; 2186.97,2882.4 v1@2186.97,2944.24 ; v1@2218.46,2359.93 2218.46,2421.77 ; 2218.46,2882.4 v1@2218.46,2944.24 ; v1@2249.96,2359.93 2249.96,2421.77 ; 2249.96,2882.4 2250.21,2882.65 v1(2250.21,2940.59) ; v1@2281.46,2359.93 2281.46,2421.77 ; 2281.46,2882.4 v1@2281.46,2944.24 ; v1@2312.95,2359.93 2312.95,2421.77 ; 2312.95,2882.4 v1@2312.95,2944.24 ; v1@2344.45,2359.93 2344.45,2421.77 ; 2344.45,2882.4 v1@2344.45,2944.24
  Bottom Layer w8: 3726,2433 v3(3868,2575) ; v3(3799.75,2277.75) 3926.75,2277.75 v3(3950,2301) ; v3(3893,2760) 3893,2600 v3(3868,2575) ; 3982,2475 3968.69,2488.31 3954.69,2488.31 v3(3868,2575) ; v3(4047,2477) 4082,2442 4135,2442 4159,2466 v3(4200,2466) ; 4074,2693.5 v3@4086,2681.5 ; 4074,2963 4074,2957 ; v3(4074,3039) 4074,2957 ; v3(4086,2681) v3@4086,2681.5 ; v3(4097.81,2979) 4097.81,2974.77 4112,2960.58 v3(4112,2718) ; 4074,2957 4086,2945 v3@4086,2681.5
  Bottom Layer w10: v3(3681.1,3801.38) 3681.1,3775.08 3685.51,3761.38 3683.69,3747.68 3683.69,3715.08 3685.51,3701.38 ; 3736.69,3701.38 v3(3811.1,3701.38)
  Bottom Layer w20: v3(3721.1,3821.38) v3(3741.1,3801.38) v3@3741.1,3811.38 ; v3(3741.1,3651.38) v3@3741.1,3661.38
  other v1: 1525.8,2483.86 1935.24,2483.86 1998.24,2483.86 2092.72,2483.86 2187.21,2483.86 2281.7,2483.86 2344.69,2483.86 1525.31,2820.31 1934.75,2820.31 1997.75,2820.31 2186.72,2820.31 2281.21,2820.31 2344.2,2820.31
  other v3: 3894.95,2333 3620,2370 3620,2470 3691.1,3841.38

## Polygon pours and split planes (outlines as drawn)
no net on Mid-Layer 3 "NONET_L02_P003" (solid, remove dead copper, pour order 3): 2120,3035 2140.1,3014.9 2140.1,2859.74 2108.36,2827.99 2108.36,2805 2068.8,2806.29 2076.45,2836.02 2076.45,2991.45
no net on Mid-Layer 3 "NONET_L02_P002" (solid, remove dead copper, pour order 2): 1890,2955 1965,2955 1965,2842.12 1950.88,2827.99 1950.88,2813.95 1904.29,2813.95 1890,2828.23 1890,2845
no net on Mid-Layer 3 "NONET_L02_P001" (solid, remove dead copper, pour order 1): 2168.98,2500 2218.98,2500 2218.98,2454.12 2218.22,2453.37 2218.22,2260.76 2218.98,2260 2153.98,2260 2153.98,2452.12 2171.09,2469.23 2168.98,2471.35
no net on Mid-Layer 3 "NONET_L02_P000" (solid, remove dead copper, pour order 0): 1982.11,2485.53 1980,2500 2030,2500 2030,2454.12 2029.24,2453.37 2029.24,2260.76 2030,2260 1965,2260 1965,2452.12 1982.11,2469.23 1980,2471.35
no net on Top Layer "NONET_L01_P007" (solid, remove dead copper, pour order 7): 3771.1,3651.38 3601.1,3651.38 3601.1,3811.38 3652.2,3862.48 3740,3862.48 3771.1,3831.38
no net on Top Layer "NONET_L01_P006" (solid, remove dead copper, pour order 6): 3811.1,3581.38 3681.1,3581.38 3681.1,3501.38 3821.1,3501.38
no net on Top Layer "NONET_L01_P005" (solid, remove dead copper, pour order 5): 3931.1,3781.38 3851.1,3861.38 3771.1,3861.38 3771.1,3651.38 3781.1,3641.38 3841.1,3641.38 3881.1,3601.38 3881.1,3521.38 3901.1,3501.38 3931.1,3501.38 3951.1,3521.38 3951.1,3771.38 3941.1,3781.38
no net on Top Layer "NONET_L01_P004" (solid, remove dead copper, pour order 4): 3601.1,3921.38 3511.1,3921.38 3511.1,3871.38 3451.1,3811.38 3451.1,3651.38 3471.1,3631.38 3561.1,3631.38 3581.1,3651.38 3581.1,3831.38 3601.1,3851.38

## Keep-outs
Keep-Out Layer:
  lines w1.97: 3635,2900 4011,2900 4045,2866 4045,2749 4024,2728 4024,2446 4097,2373